# EAGLE board working (EAGLE 7.5.0), part 7 of 8 (continued)
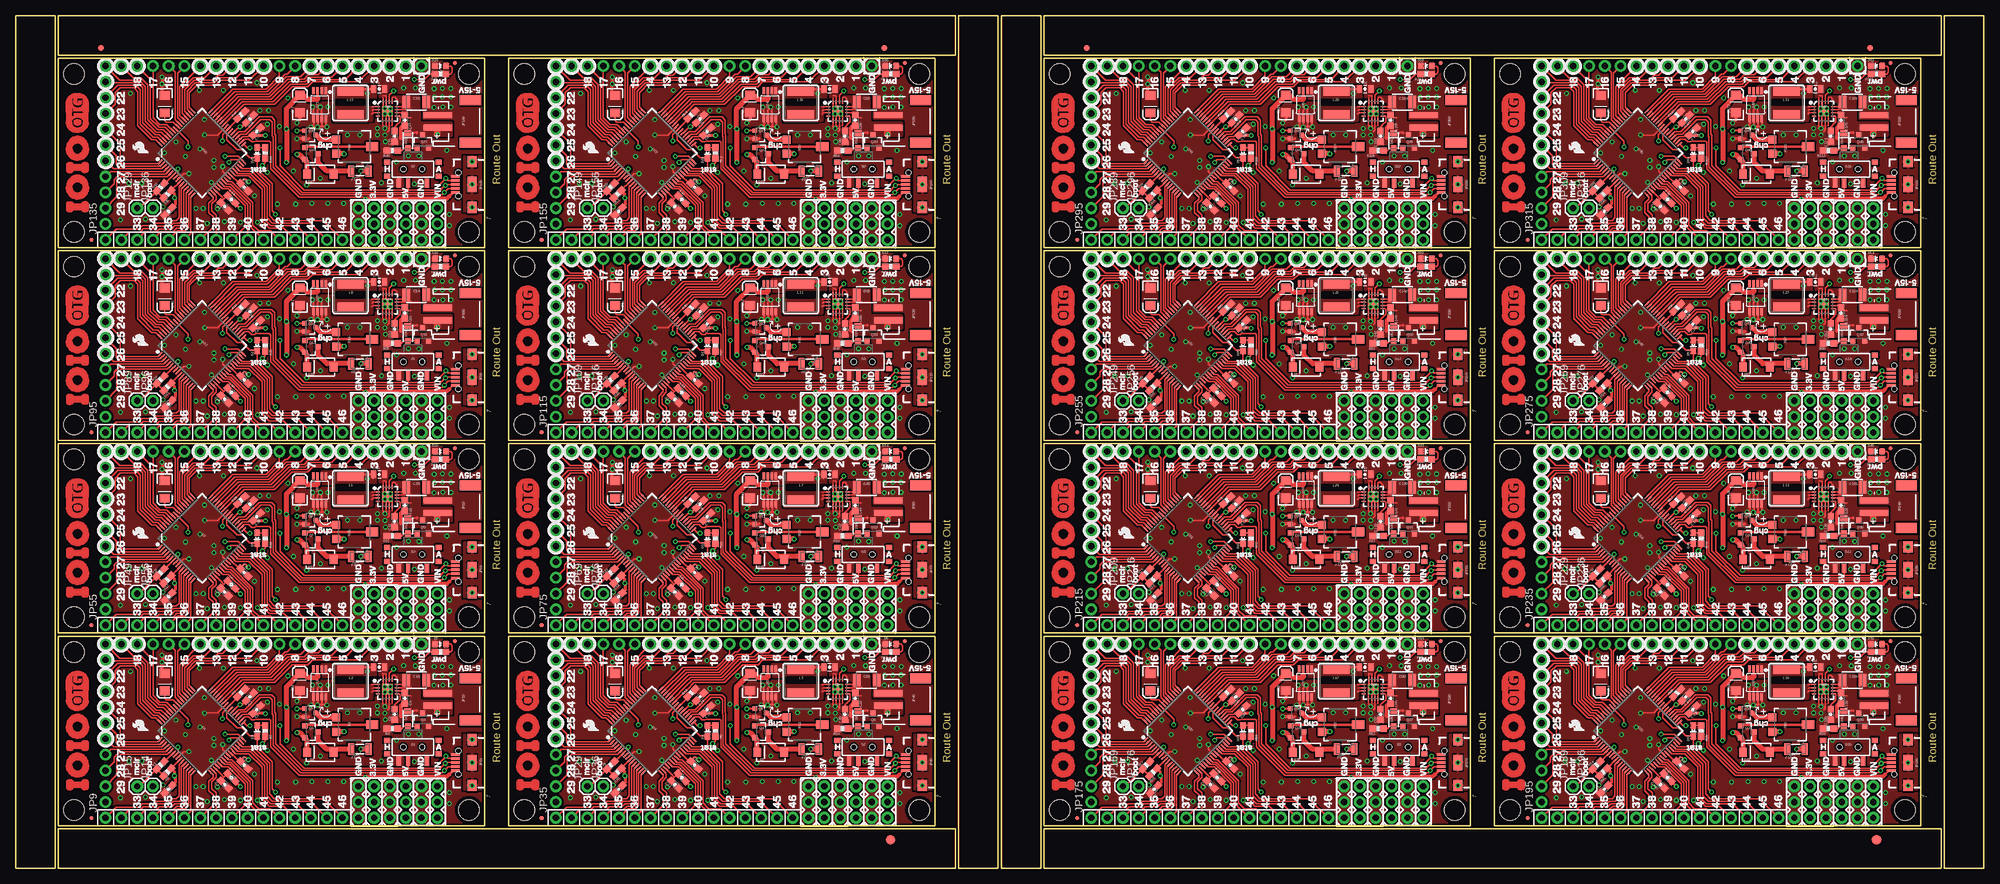
[diagram p0: board, top side]
## Tracks (layer width: path | path; a pad name or v marks a point on that pad's centre or on a via) (continued)
PIN608
  Top 0.203: U40.13 257.94,77.97 257.94,72.67 257.66,72.39 256.5,72.39 255.97,71.86 253.95,71.86 253.49,71.4 251.74,71.4 JP271.14
PIN609
  Top 0.203: U40.14 258.32,77.64 258.32,72.34 257.96,71.98 256.8,71.98 256.2,71.38 254.26,71.38 JP271.13
PIN610
  Top 0.203: U40.15 258.7,77.32 258.7,72.11 258.17,71.58 257,71.58 JP271.12
PIN611
  Top 0.203: U40.16 259.08,76.99 259.08,71.12 JP271.11
PIN612
  Top 0.203: JP272.9 273.3,96.47 271.17,94.34 265.82,94.34 U40.48
PIN613  (via drill 0.38 pad 0.64)
  Top 0.203: U40.8 257.02,80.59 v257.02,81.51
  Bottom 0.203: JP275.1 249.68,76.96 253.75,76.96 257.02,80.24 v257.02,81.51
PIN614
  Top 0.203: 255.9,80.89 U40.6 255.31,80.29 247.88,80.29 247.19,79.6 247.19,77.01 JP275.2
PIN615
  Top 0.203: JP275.3 246.79,79.15 246.79,79.81 247.68,80.7 255,80.7 U40.5
PIN616
  Top 0.203: U40.4 254.7,81.1 246.2,81.1 JP275.4
PIN617
  Top 0.203: U40.17 262.64,76.99 262.64,76.66 261.98,76 261.98,74.47 262.64,73.81 262.64,72.14 JP271.10
PIN618
  Top 0.203: U40.18 263.02,77.32 263.12,77.22 263.12,76.58 262.46,75.92 262.46,74.78 263.14,74.09 JP271.9
PIN619
  Top 0.203: U40.22 264.49,78.68 265.29,78.68 268.22,75.74 JP271.7
PIN620
  Top 0.203: U40.27 266.32,80.39 268.4,80.39 270.51,78.28 270.51,73.15 271.68,71.98 273.96,71.98 JP271.4
PIN621
  Top 0.203: U40.28 266.63,80.77 268.63,80.77 270.92,78.49 270.92,73.36 271.88,72.39 276.1,72.39 JP271.3
PIN622
  Top 0.203: U40.30 267.29,81.53 269.09,81.53 271.73,78.89 271.73,73.97 272.49,73.2 280.37,73.2 JP271.1
PIN623
  Top 0.203: U40.47 266.12,93.93 271.37,93.93 274.22,96.77 274.57,96.77 JP272.8
PIN624
  Top 0.203: U40.59 254.93,88.24 253.94,88.24 252.58,89.61 252.58,95.91 JP272.18
PIN625
  Top 0.203: U40.58 255.22,88.65 254.1,88.65 252.98,89.76 JP272.17
PIN626
  Top 0.203: U40.3 254.4,81.51 246.66,81.51 JP275.5
PIN627
  Top 0.203: U40.2 254.1,81.92 247.42,81.92 247.09,82.25 247.09,83.62 JP275.6
PIN628
  Top 0.203: JP275.7 247.7,85.55 247.7,82.65 248.01,82.35 253.83,82.35 U40.1
PIN629
  Top 0.203: U40.64 253.42,86.21 252.8,86.21 250.55,88.46 250.55,93.93 249.94,94.54 247.7,94.54 246.89,93.73 246.89,91.95 JP275.8
PIN630
  Top 0.203: U40.63 253.72,86.61 253.04,86.61 250.95,88.71 250.95,94.23 250.24,94.94 247.34,94.94 JP275.9
PIN631
  Top 0.203: U40.62 254.02,87.02 253.31,87.02 251.36,88.97 251.36,94.54 250.55,95.35 245.52,95.35 JP275.10
PIN632
  Top 0.203: U40.61 254.32,87.43 253.51,87.43 251.76,89.17 251.76,94.75 250.76,95.76 247.65,95.76 JP275.11
PIN633
  Top 0.203: U40.60 254.62,87.83 253.75,87.83 252.17,89.41 252.17,95.02 251.02,96.16 249.78,96.16 JP272.19
PIN634
  Top 0.203: JP272.6 279.53,96.65 277.95,96.65 277.27,95.96 274.62,95.96 271.78,93.12 266.72,93.12 U40.45
PIN635
  Top 0.203: JP272.5 281.69,96.27 278.18,96.27 277.47,95.56 274.86,95.56 272.02,92.71 267.02,92.71 266.26,91.95 U40.44
PIN636
  Top 0.203: JP272.4 283.85,95.89 278.41,95.89 277.67,95.15 275.13,95.15 272.29,92.3 267.31,92.3 266.91,91.91 266.91,91.9 266.58,91.57 U40.43
PIN637
  Top 0.203: JP272.3 286,95.5 278.64,95.5 277.88,94.74 275.37,94.74 272.52,91.9 267.61,91.9 267.21,91.5 267.21,91.49 266.91,91.19 U40.42
PIN638
  Top 0.203: U40.55 256.54,89.45 256.54,97.03 JP272.16
PIN639
  Top 0.203: U40.54 256.92,89.78 256.92,96.9 JP272.15
PIN640
  Top 0.203: U40.53 257.3,90.11 257.3,94.74 JP272.14
PIN641
  Top 0.203: U40.51 258.06,90.76 258.06,94.21 259.61,95.76 262.64,95.76 263.45,96.57 264.21,96.57 JP272.12
PIN642
  Top 0.203: U40.50 258.44,91.08 258.44,94 259.79,95.35 262.84,95.35 263.65,96.16 266.34,96.16 JP272.11
PIN643
  Top 0.203: U40.49 258.83,91.41 258.83,93.79 259.38,94.34 259.99,94.94 263.04,94.94 263.86,95.76 268.48,95.76 JP272.10
PIN644
  Top 0.203: JP272.7 276.71,96.37 274.42,96.37 271.58,93.52 266.42,93.52 U40.46
PIN645  (via drill 0.38 pad 0.64)
  Top 0.203: U43.32 194.31,114.53 v192.18,114.53
  Bottom 0.203: v192.18,114.53 191.19,114.53 190.14,115.57 190.14,117.53 200.39,127.77 217.43,127.77 JP292.2
PIN646  (via drill 0.38 pad 0.64)
  Top 0.203: U43.31 194.18,113.94 193.17,113.94 v192.79,113.56
  Bottom 0.203: v192.79,113.56 193.19,113.97 193.19,114.86 192.79,115.27 191.06,115.27 190.55,115.77 190.55,117.3 200.65,127.39 219.59,127.39 JP292.1
PIN647
  Top 0.203: U43.52 185.29,121.42 185.29,125.4 187.04,127.15 188.87,127.15 JP292.13
PIN648
  Top 0.203: U43.29 194.57,112.14 196.47,112.14 198.93,109.68 198.93,104.65 199.8,103.78 205.84,103.78 JP291.2
PIN649
  Top 0.203: U43.24 192.75,110.43 193.26,110.43 196.65,107.04 196.65,103.48 197.56,102.56 199.44,102.56 JP291.5
PIN650
  Top 0.203: U43.23 192.42,110.05 193.08,110.05 196.24,106.88 196.24,103.23 JP291.6
PIN651
  Top 0.203: U43.21 191.77,109.28 192.72,109.28 195.43,106.58 195.43,103.23 JP291.8
PIN652
  Top 0.203: U43.11 184.78,109.61 184.78,104.62 184.35,104.19 183.56,104.19 183.15,103.78 181.1,103.78 180.66,103.33 178.82,103.33 178.3,102.81 174.69,102.81 JP291.16
PIN653
  Top 0.203: U43.12 185.17,109.28 185.17,104.09 184.86,103.78 183.82,103.78 183.36,103.32 181.33,103.32 180.87,102.86 179.05,102.86 178.53,102.34 176.77,102.34 JP291.15
PIN654
  Top 0.203: U43.13 185.55,108.96 185.55,103.66 185.27,103.38 184.11,103.38 183.58,102.85 181.56,102.85 181.1,102.39 179.35,102.39 JP291.14
PIN655
  Top 0.203: U43.14 185.93,108.63 185.93,103.33 185.57,102.97 184.41,102.97 183.81,102.37 181.87,102.37 JP291.13
PIN656
  Top 0.203: U43.15 186.31,108.31 186.31,103.1 185.78,102.56 184.61,102.56 JP291.12
PIN657
  Top 0.203: U43.16 186.69,107.98 186.69,102.11 JP291.11
PIN658
  Top 0.203: JP292.9 200.91,127.46 198.78,125.32 193.43,125.32 U43.48
PIN659  (via drill 0.38 pad 0.64)
  Top 0.203: U43.8 184.63,111.58 v184.63,112.5
  Bottom 0.203: JP295.1 177.29,107.95 181.36,107.95 184.63,111.23 v184.63,112.5
PIN660
  Top 0.203: 183.51,111.88 U43.6 182.92,111.28 175.49,111.28 174.8,110.59 174.8,108 JP295.2
PIN661
  Top 0.203: JP295.3 174.4,110.13 174.4,110.8 175.28,111.68 182.62,111.68 U43.5
PIN662
  Top 0.203: U43.4 182.31,112.09 173.81,112.09 JP295.4
PIN663
  Top 0.203: U43.17 190.25,107.98 190.25,107.64 189.59,106.98 189.59,105.46 190.25,104.8 190.25,103.12 JP291.10
PIN664
  Top 0.203: U43.18 190.63,108.31 190.73,108.2 190.73,107.57 190.07,106.91 190.07,105.77 190.75,105.08 JP291.9
PIN665
  Top 0.203: U43.22 192.1,109.67 192.9,109.67 195.83,106.73 JP291.7
PIN666
  Top 0.203: U43.27 193.93,111.38 196.01,111.38 198.12,109.27 198.12,104.14 199.29,102.97 201.57,102.97 JP291.4
PIN667
  Top 0.203: U43.28 194.25,111.76 196.24,111.76 198.53,109.47 198.53,104.34 199.49,103.38 203.71,103.38 JP291.3
PIN668
  Top 0.203: U43.30 194.9,112.52 196.7,112.52 199.34,109.88 199.34,104.95 200.1,104.19 207.97,104.19 JP291.1
PIN669
  Top 0.203: U43.47 193.73,124.92 198.98,124.92 201.83,127.76 202.18,127.76 JP292.8
PIN670
  Top 0.203: U43.59 182.53,119.23 181.55,119.23 180.19,120.59 180.19,126.9 JP292.18
PIN671
  Top 0.203: U43.58 182.84,119.63 181.71,119.63 180.59,120.75 JP292.17
PIN672
  Top 0.203: U43.3 182.01,112.5 174.27,112.5 JP295.5
PIN673
  Top 0.203: U43.2 181.71,112.9 175.03,112.9 174.7,113.23 174.7,114.61 JP295.6
PIN674
  Top 0.203: JP295.7 175.31,116.53 175.31,113.64 175.62,113.33 181.44,113.33 U43.1
PIN675
  Top 0.203: U43.64 181.03,117.2 180.41,117.2 178.16,119.45 178.16,124.92 177.55,125.53 175.31,125.53 174.5,124.71 174.5,122.94 JP295.8
PIN676
  Top 0.203: U43.63 181.33,117.6 180.65,117.6 178.56,119.69 178.56,125.22 177.85,125.93 174.96,125.93 JP295.9
PIN677
  Top 0.203: U43.62 181.63,118.01 180.92,118.01 178.97,119.96 178.97,125.53 178.16,126.34 173.13,126.34 JP295.10
PIN678
  Top 0.203: U43.61 181.93,118.42 181.12,118.42 179.38,120.16 179.38,125.74 178.37,126.75 175.26,126.75 JP295.11
PIN679
  Top 0.203: U43.60 182.23,118.82 181.36,118.82 179.78,120.4 179.78,126 178.63,127.15 177.39,127.15 JP292.19
PIN680
  Top 0.203: JP292.6 207.14,127.64 205.56,127.64 204.88,126.95 202.24,126.95 199.39,124.1 194.33,124.1 U43.45
PIN681
  Top 0.203: JP292.5 209.3,127.25 205.79,127.25 205.08,126.54 202.47,126.54 199.63,123.7 194.63,123.7 193.87,122.94 U43.44
PIN682
  Top 0.203: JP292.4 211.46,126.87 206.02,126.87 205.28,126.14 202.74,126.14 199.9,123.29 194.92,123.29 194.52,122.89 194.19,122.56 U43.43
PIN683
  Top 0.203: JP292.3 213.61,126.49 206.25,126.49 205.49,125.73 202.97,125.73 200.13,122.89 195.22,122.89 194.82,122.48 194.52,122.17 U43.42
PIN684
  Top 0.203: U43.55 184.15,120.44 184.15,128.02 JP292.16
PIN685
  Top 0.203: U43.54 184.53,120.77 184.53,127.89 JP292.15
PIN686
  Top 0.203: U43.53 184.91,121.09 184.91,125.73 JP292.14
PIN687
  Top 0.203: U43.51 185.67,121.75 185.67,125.2 187.22,126.75 190.25,126.75 191.06,127.56 191.82,127.56 JP292.12
PIN688
  Top 0.203: U43.50 186.06,122.07 186.06,124.99 187.4,126.34 190.45,126.34 191.26,127.15 193.95,127.15 JP292.11
PIN689
  Top 0.203: U43.49 186.44,122.4 186.44,124.77 186.99,125.32 187,125.32 187.6,125.93 190.65,125.93 191.47,126.75 196.09,126.75 JP292.10
PIN690
  Top 0.203: JP292.7 204.32,127.36 202.03,127.36 199.19,124.51 194.03,124.51 U43.46
PIN691  (via drill 0.38 pad 0.64)
  Top 0.203: U46.32 266.69,114.53 v264.57,114.53
  Bottom 0.203: v264.57,114.53 263.58,114.53 262.53,115.57 262.53,117.53 272.78,127.77 289.82,127.77 JP312.2
PIN692  (via drill 0.38 pad 0.64)
  Top 0.203: U46.31 266.57,113.94 265.56,113.94 v265.18,113.56
  Bottom 0.203: v265.18,113.56 265.58,113.97 265.58,114.86 265.18,115.27 263.45,115.27 262.94,115.77 262.94,117.3 273.04,127.39 291.98,127.39 JP312.1
PIN693
  Top 0.203: U46.52 257.68,121.42 257.68,125.4 259.43,127.15 261.26,127.15 JP312.13
PIN694
  Top 0.203: U46.29 266.96,112.14 268.86,112.14 271.32,109.68 271.32,104.65 272.19,103.78 278.23,103.78 JP311.2
PIN695
  Top 0.203: U46.24 265.14,110.43 265.65,110.43 269.04,107.04 269.04,103.48 269.95,102.56 271.83,102.56 JP311.5
PIN696
  Top 0.203: U46.23 264.81,110.05 265.47,110.05 268.63,106.88 268.63,103.23 JP311.6
PIN697
  Top 0.203: U46.21 264.16,109.28 265.11,109.28 267.82,106.58 267.82,103.23 JP311.8
PIN698
  Top 0.203: U46.11 257.18,109.61 257.18,104.62 256.74,104.19 255.95,104.19 255.54,103.78 253.5,103.78 253.05,103.33 251.21,103.33 250.69,102.81 247.08,102.81 JP311.16
PIN699
  Top 0.203: U46.12 257.56,109.28 257.56,104.09 257.25,103.78 256.21,103.78 255.75,103.32 253.72,103.32 253.26,102.86 251.44,102.86 250.92,102.34 249.16,102.34 JP311.15
PIN700
  Top 0.203: U46.13 257.94,108.96 257.94,103.66 257.66,103.38 256.5,103.38 255.97,102.85 253.95,102.85 253.49,102.39 251.74,102.39 JP311.14
PIN701
  Top 0.203: U46.14 258.32,108.63 258.32,103.33 257.96,102.97 256.8,102.97 256.2,102.37 254.26,102.37 JP311.13
PIN702
  Top 0.203: U46.15 258.7,108.31 258.7,103.1 258.17,102.56 257,102.56 JP311.12
PIN703
  Top 0.203: U46.16 259.08,107.98 259.08,102.11 JP311.11
PIN704
  Top 0.203: JP312.9 273.3,127.46 271.17,125.32 265.82,125.32 U46.48
PIN705  (via drill 0.38 pad 0.64)
  Top 0.203: U46.8 257.02,111.58 v257.02,112.5
  Bottom 0.203: JP315.1 249.68,107.95 253.75,107.95 257.02,111.23 v257.02,112.5
PIN706
  Top 0.203: 255.9,111.88 U46.6 255.31,111.28 247.88,111.28 247.19,110.59 247.19,108 JP315.2
PIN707
  Top 0.203: JP315.3 246.79,110.13 246.79,110.8 247.68,111.68 255,111.68 U46.5
PIN708
  Top 0.203: U46.4 254.7,112.09 246.2,112.09 JP315.4
PIN709
  Top 0.203: U46.17 262.64,107.98 262.64,107.64 261.98,106.98 261.98,105.46 262.64,104.8 262.64,103.12 JP311.10
PIN710
  Top 0.203: U46.18 263.02,108.31 263.12,108.2 263.12,107.57 262.46,106.91 262.46,105.77 263.14,105.08 JP311.9
PIN711
  Top 0.203: U46.22 264.49,109.67 265.29,109.67 268.22,106.73 JP311.7
PIN712
  Top 0.203: U46.27 266.32,111.38 268.4,111.38 270.51,109.27 270.51,104.14 271.68,102.97 273.96,102.97 JP311.4
PIN713
  Top 0.203: U46.28 266.63,111.76 268.63,111.76 270.92,109.47 270.92,104.34 271.88,103.38 276.1,103.38 JP311.3
PIN714
  Top 0.203: U46.30 267.29,112.52 269.09,112.52 271.73,109.88 271.73,104.95 272.49,104.19 280.37,104.19 JP311.1
PIN715
  Top 0.203: U46.47 266.12,124.92 271.37,124.92 274.22,127.76 274.57,127.76 JP312.8
PIN716
  Top 0.203: U46.59 254.93,119.23 253.94,119.23 252.58,120.59 252.58,126.9 JP312.18
PIN717
  Top 0.203: U46.58 255.22,119.63 254.1,119.63 252.98,120.75 JP312.17
PIN718
  Top 0.203: U46.3 254.4,112.5 246.66,112.5 JP315.5
PIN719
  Top 0.203: U46.2 254.1,112.9 247.42,112.9 247.09,113.23 247.09,114.61 JP315.6
PIN720
  Top 0.203: JP315.7 247.7,116.53 247.7,113.64 248.01,113.33 253.83,113.33 U46.1
PIN721
  Top 0.203: U46.64 253.42,117.2 252.8,117.2 250.55,119.45 250.55,124.92 249.94,125.53 247.7,125.53 246.89,124.71 246.89,122.94 JP315.8
PIN722
  Top 0.203: U46.63 253.72,117.6 253.04,117.6 250.95,119.69 250.95,125.22 250.24,125.93 247.34,125.93 JP315.9
PIN723
  Top 0.203: U46.62 254.02,118.01 253.31,118.01 251.36,119.96 251.36,125.53 250.55,126.34 245.52,126.34 JP315.10
PIN724
  Top 0.203: U46.61 254.32,118.42 253.51,118.42 251.76,120.16 251.76,125.74 250.76,126.75 247.65,126.75 JP315.11
PIN725
  Top 0.203: U46.60 254.62,118.82 253.75,118.82 252.17,120.4 252.17,126 251.02,127.15 249.78,127.15 JP312.19
PIN726
  Top 0.203: JP312.6 279.53,127.64 277.95,127.64 277.27,126.95 274.62,126.95 271.78,124.1 266.72,124.1 U46.45
PIN727
  Top 0.203: JP312.5 281.69,127.25 278.18,127.25 277.47,126.54 274.86,126.54 272.02,123.7 267.02,123.7 266.26,122.94 U46.44
PIN728
  Top 0.203: JP312.4 283.85,126.87 278.41,126.87 277.67,126.14 275.13,126.14 272.29,123.29 267.31,123.29 266.91,122.89 266.58,122.56 U46.43
PIN729
  Top 0.203: JP312.3 286,126.49 278.64,126.49 277.88,125.73 275.37,125.73 272.52,122.89 267.61,122.89 267.21,122.48 266.91,122.17 U46.42
PIN730
  Top 0.203: U46.55 256.54,120.44 256.54,128.02 JP312.16
PIN731
  Top 0.203: U46.54 256.92,120.77 256.92,127.89 JP312.15
PIN732
  Top 0.203: U46.53 257.3,121.09 257.3,125.73 JP312.14
PIN733
  Top 0.203: U46.51 258.06,121.75 258.06,125.2 259.61,126.75 262.64,126.75 263.45,127.56 264.21,127.56 JP312.12
PIN734
  Top 0.203: U46.50 258.44,122.07 258.44,124.99 259.79,126.34 262.84,126.34 263.65,127.15 266.34,127.15 JP312.11
PIN735
  Top 0.203: U46.49 258.83,122.4 258.83,124.77 259.38,125.32 259.99,125.93 263.04,125.93 263.86,126.75 268.48,126.75 JP312.10
PIN736
  Top 0.203: JP312.7 276.71,127.36 274.42,127.36 271.58,124.51 266.42,124.51 U46.46
USBID  (via drill 0.38 pad 0.64)
  Top 0.203: 63.13,16.13 67.31,16.13 v69.22,18.03 69.58,17.67 JP21.ID1 | 63.13,16.13 46.41,16.13 42.52,20.02 v42.52,22.94 | U1.33 | 36.93,23.75 U1.33 | v37.67,22.94 37.27,22.94 U1.33 | S1.P 63.13,16.13
  Bottom 0.203: v69.22,18.03 71.88,18.03 72.52,18.67 TP1.P$1 | v37.67,22.94 v42.52,22.94
USBID1  (via drill 0.38 pad 0.64)
  Top 0.203: 135.52,16.13 139.7,16.13 v141.6,18.03 141.97,17.67 JP39.ID1 | 135.52,16.13 118.8,16.13 114.91,20.02 v114.91,22.94 | U4.33 | 109.32,23.75 U4.33 | v110.06,22.94 109.66,22.94 U4.33 | S2.P 135.52,16.13
  Bottom 0.203: v141.6,18.03 144.27,18.03 144.91,18.67 TP4.P$1 | v110.06,22.94 v114.91,22.94
USBID2  (via drill 0.38 pad 0.64)
  Top 0.203: 63.13,47.12 67.31,47.12 v69.22,49.02 69.58,48.66 JP59.ID1 | 63.13,47.12 46.41,47.12 42.52,51.01 v42.52,53.92 | U7.33 | 36.93,54.74 U7.33 | v37.67,53.92 37.27,53.92 U7.33 | S3.P 63.13,47.12
  Bottom 0.203: v69.22,49.02 71.88,49.02 72.52,49.66 TP7.P$1 | v37.67,53.92 v42.52,53.92
USBID3  (via drill 0.38 pad 0.64)
  Top 0.203: 135.52,47.12 139.7,47.12 v141.6,49.02 141.97,48.66 JP79.ID1 | 135.52,47.12 118.8,47.12 114.91,51.01 v114.91,53.92 | U10.33 | 109.32,54.74 U10.33 | v110.06,53.92 109.66,53.92 U10.33 | S4.P 135.52,47.12
  Bottom 0.203: v141.6,49.02 144.27,49.02 144.91,49.66 TP10.P$1 | v110.06,53.92 v114.91,53.92
USBID4  (via drill 0.38 pad 0.64)
  Top 0.203: 63.13,78.11 67.31,78.11 v69.22,80.01 69.58,79.64 JP99.ID1 | 63.13,78.11 46.41,78.11 42.52,82 v42.52,84.91 | U13.33 | 36.93,85.72 U13.33 | v37.67,84.91 37.27,84.91 U13.33 | S5.P 63.13,78.11
  Bottom 0.203: v69.22,80.01 71.88,80.01 72.52,80.64 TP13.P$1 | v37.67,84.91 v42.52,84.91
USBID5  (via drill 0.38 pad 0.64)
  Top 0.203: 135.52,78.11 139.7,78.11 v141.6,80.01 141.97,79.64 JP119.ID1 | 135.52,78.11 118.8,78.11 114.91,82 v114.91,84.91 | U16.33 | 109.32,85.72 U16.33 | v110.06,84.91 109.66,84.91 U16.33 | S6.P 135.52,78.11
  Bottom 0.203: v141.6,80.01 144.27,80.01 144.91,80.64 TP16.P$1 | v110.06,84.91 v114.91,84.91
USBID6  (via drill 0.38 pad 0.64)
  Top 0.203: 63.13,109.09 67.31,109.09 v69.22,111 69.58,110.63 JP139.ID1 | 63.13,109.09 46.41,109.09 42.52,112.99 v42.52,115.9 | U19.33 | 36.93,116.71 U19.33 | v37.67,115.9 37.27,115.9 U19.33 | S7.P 63.13,109.09
  Bottom 0.203: v69.22,111 71.88,111 72.52,111.63 TP19.P$1 | v37.67,115.9 v42.52,115.9
USBID7  (via drill 0.38 pad 0.64)
  Top 0.203: 135.52,109.09 139.7,109.09 v141.6,111 141.97,110.63 JP159.ID1 | 135.52,109.09 118.8,109.09 114.91,112.99 v114.91,115.9 | U22.33 | 109.32,116.71 U22.33 | v110.06,115.9 109.66,115.9 U22.33 | S8.P 135.52,109.09
  Bottom 0.203: v141.6,111 144.27,111 144.91,111.63 TP22.P$1 | v110.06,115.9 v114.91,115.9
USBID8  (via drill 0.38 pad 0.64)
  Top 0.203: 221.63,16.13 225.81,16.13 v227.71,18.03 228.08,17.67 JP179.ID1 | 221.63,16.13 204.91,16.13 201.02,20.02 v201.02,22.94 | U25.33 | 195.42,23.75 U25.33 | v196.16,22.94 195.76,22.94 U25.33 | S9.P 221.63,16.13
  Bottom 0.203: v227.71,18.03 230.38,18.03 231.01,18.67 TP25.P$1 | v196.16,22.94 v201.02,22.94
USBID9  (via drill 0.38 pad 0.64)
  Top 0.203: 294.02,16.13 298.2,16.13 v300.1,18.03 300.47,17.67 JP199.ID1 | 294.02,16.13 277.3,16.13 273.41,20.02 v273.41,22.94 | U28.33 | 267.81,23.75 U28.33 | v268.55,22.94 268.15,22.94 U28.33 | S10.P 294.02,16.13
  Bottom 0.203: v300.1,18.03 302.77,18.03 303.4,18.67 TP28.P$1 | v268.55,22.94 v273.41,22.94
USBID10  (via drill 0.38 pad 0.64)
  Top 0.203: 221.63,47.12 225.81,47.12 v227.71,49.02 228.08,48.66 JP219.ID1 | 221.63,47.12 204.91,47.12 201.02,51.01 v201.02,53.92 | U31.33 | 195.42,54.74 U31.33 | v196.16,53.92 195.76,53.92 U31.33 | S11.P 221.63,47.12
  Bottom 0.203: v227.71,49.02 230.38,49.02 231.01,49.66 TP31.P$1 | v196.16,53.92 v201.02,53.92
USBID11  (via drill 0.38 pad 0.64)
  Top 0.203: 294.02,47.12 298.2,47.12 v300.1,49.02 300.47,48.66 JP239.ID1 | 294.02,47.12 277.3,47.12 273.41,51.01 v273.41,53.92 | U34.33 | 267.81,54.74 U34.33 | v268.55,53.92 268.15,53.92 U34.33 | S12.P 294.02,47.12
  Bottom 0.203: v300.1,49.02 302.77,49.02 303.4,49.66 TP34.P$1 | v268.55,53.92 v273.41,53.92
USBID12  (via drill 0.38 pad 0.64)
  Top 0.203: 221.63,78.11 225.81,78.11 v227.71,80.01 228.08,79.64 JP259.ID1 | 221.63,78.11 204.91,78.11 201.02,82 v201.02,84.91 | U37.33 | 195.42,85.72 U37.33 | v196.16,84.91 195.76,84.91 U37.33 | S13.P 221.63,78.11
  Bottom 0.203: v227.71,80.01 230.38,80.01 231.01,80.64 TP37.P$1 | v196.16,84.91 v201.02,84.91
USBID13  (via drill 0.38 pad 0.64)
  Top 0.203: 294.02,78.11 298.2,78.11 v300.1,80.01 300.47,79.64 JP279.ID1 | 294.02,78.11 277.3,78.11 273.41,82 v273.41,84.91 | U40.33 | 267.81,85.72 U40.33 | v268.55,84.91 268.15,84.91 U40.33 | S14.P 294.02,78.11
  Bottom 0.203: v300.1,80.01 302.77,80.01 303.4,80.64 TP40.P$1 | v268.55,84.91 v273.41,84.91
USBID14  (via drill 0.38 pad 0.64)
  Top 0.203: 221.63,109.09 225.81,109.09 v227.71,111 228.08,110.63 JP299.ID1 | 221.63,109.09 204.91,109.09 201.02,112.99 v201.02,115.9 | U43.33 | 195.42,116.71 U43.33 | v196.16,115.9 195.76,115.9 U43.33 | S15.P 221.63,109.09
  Bottom 0.203: v227.71,111 230.38,111 231.01,111.63 TP43.P$1 | v196.16,115.9 v201.02,115.9
USBID15  (via drill 0.38 pad 0.64)
  Top 0.203: 294.02,109.09 298.2,109.09 v300.1,111 300.47,110.63 JP319.ID1 | 294.02,109.09 277.3,109.09 273.41,112.99 v273.41,115.9 | U46.33 | 267.81,116.71 U46.33 | v268.55,115.9 268.15,115.9 U46.33 | S16.P 294.02,109.09
  Bottom 0.203: v300.1,111 302.77,111 303.4,111.63 TP46.P$1 | v268.55,115.9 v273.41,115.9
VBUS  (via drill 0.38 pad 0.64)
  Top 0.203: U1.34 36.82,24.35 37.5,24.35 37.97,23.88 38.48,23.88 38.61,24 40.82,24 41.02,23.8 41.02,19.57 45.6,14.99 55.88,14.99 v56.26,14.61 56.13,14.73 | JP21.VBUS1 70.33,15.72
  Top 0.406: 70.33,15.72 69.72,15.11
  Top 0.61: 69.72,15.11 69.34,14.73 56.39,14.73 v56.26,14.61
  Top 0.813: F1.1 v55.5,19.18
  Bottom 0.61: v56.26,14.61 56.26,18.41 v55.5,19.18
VBUS1  (via drill 0.38 pad 0.64)
  Top 0.203: U4.34 109.21,24.35 109.89,24.35 110.36,23.88 110.87,23.88 111,24 113.21,24 113.41,23.8 113.41,19.57 117.99,14.99 128.27,14.99 v128.65,14.61 128.52,14.73 | JP39.VBUS1 142.72,15.72
  Top 0.406: 142.72,15.72 142.11,15.11
  Top 0.61: 142.11,15.11 141.73,14.73 128.78,14.73 v128.65,14.61
  Top 0.813: F2.1 v127.89,19.18
  Bottom 0.61: v128.65,14.61 128.65,18.41 v127.89,19.18
VBUS2  (via drill 0.38 pad 0.64)
  Top 0.203: U7.34 36.82,55.33 37.5,55.33 37.97,54.86 38.48,54.86 38.61,54.99 40.82,54.99 41.02,54.79 41.02,50.55 45.6,45.97 55.88,45.97 v56.26,45.59 56.13,45.72 | JP59.VBUS1 70.33,46.71
  Top 0.406: 70.33,46.71 69.72,46.1
  Top 0.61: 69.72,46.1 69.34,45.72 56.39,45.72 v56.26,45.59
  Top 0.813: F3.1 v55.5,50.16
  Bottom 0.61: v56.26,45.59 56.26,49.4 v55.5,50.16
VBUS3  (via drill 0.38 pad 0.64)
  Top 0.203: U10.34 109.21,55.33 109.89,55.33 110.36,54.86 110.87,54.86 111,54.99 113.21,54.99 113.41,54.79 113.41,50.55 117.99,45.97 128.27,45.97 v128.65,45.59 128.52,45.72 | JP79.VBUS1 142.72,46.71
  Top 0.406: 142.72,46.71 142.11,46.1
  Top 0.61: 142.11,46.1 141.73,45.72 128.78,45.72 v128.65,45.59
  Top 0.813: F4.1 v127.89,50.16
  Bottom 0.61: v128.65,45.59 128.65,49.4 v127.89,50.16
VBUS4  (via drill 0.38 pad 0.64)
  Top 0.203: U13.34 36.82,86.32 37.5,86.32 37.97,85.85 38.48,85.85 38.61,85.98 40.82,85.98 41.02,85.78 41.02,81.54 45.6,76.96 55.88,76.96 v56.26,76.58 56.13,76.71 | JP99.VBUS1 70.33,77.69
  Top 0.406: 70.33,77.69 69.72,77.09
  Top 0.61: 69.72,77.09 69.34,76.71 56.39,76.71 v56.26,76.58
  Top 0.813: F5.1 v55.5,81.15
  Bottom 0.61: v56.26,76.58 56.26,80.39 v55.5,81.15
VBUS5  (via drill 0.38 pad 0.64)
  Top 0.203: U16.34 109.21,86.32 109.89,86.32 110.36,85.85 110.87,85.85 111,85.98 113.21,85.98 113.41,85.78 113.41,81.54 117.99,76.96 128.27,76.96 v128.65,76.58 128.52,76.71 | JP119.VBUS1 142.72,77.69
  Top 0.406: 142.72,77.69 142.11,77.09
  Top 0.61: 142.11,77.09 141.73,76.71 128.78,76.71 v128.65,76.58
  Top 0.813: F6.1 v127.89,81.15
  Bottom 0.61: v128.65,76.58 128.65,80.39 v127.89,81.15
VBUS6  (via drill 0.38 pad 0.64)
  Top 0.203: U19.34 36.82,117.31 37.5,117.31 37.97,116.84 38.48,116.84 38.61,116.97 40.82,116.97 41.02,116.76 41.02,112.53 45.6,107.95 55.88,107.95 v56.26,107.57 56.13,107.7 | JP139.VBUS1 70.33,108.68
  Top 0.406: 70.33,108.68 69.72,108.08
  Top 0.61: 69.72,108.08 69.34,107.7 56.39,107.7 v56.26,107.57
  Top 0.813: F7.1 v55.5,112.14
  Bottom 0.61: v56.26,107.57 56.26,111.38 v55.5,112.14
VBUS7  (via drill 0.38 pad 0.64)
  Top 0.203: U22.34 109.21,117.31 109.89,117.31 110.36,116.84 110.87,116.84 111,116.97 113.21,116.97 113.41,116.76 113.41,112.53 117.99,107.95 128.27,107.95 v128.65,107.57 128.52,107.7 | JP159.VBUS1 142.72,108.68
  Top 0.406: 142.72,108.68 142.11,108.08
  Top 0.61: 142.11,108.08 141.73,107.7 128.78,107.7 v128.65,107.57
  Top 0.813: F8.1 v127.89,112.14
  Bottom 0.61: v128.65,107.57 128.65,111.38 v127.89,112.14
VBUS8  (via drill 0.38 pad 0.64)
  Top 0.203: U25.34 195.31,24.35 196,24.35 196.47,23.88 196.98,23.88 197.1,24 199.31,24 199.52,23.8 199.52,19.57 204.1,14.99 214.38,14.99 v214.76,14.61 214.63,14.73 | JP179.VBUS1 228.82,15.72
  Top 0.406: 228.82,15.72 228.22,15.11
  Top 0.61: 228.22,15.11 227.84,14.73 214.88,14.73 v214.76,14.61
  Top 0.813: F9.1 v214,19.18
  Bottom 0.61: v214.76,14.61 214.76,18.41 v214,19.18
VBUS9  (via drill 0.38 pad 0.64)
  Top 0.203: U28.34 267.7,24.35 268.39,24.35 268.86,23.88 269.37,23.88 269.49,24 271.7,24 271.91,23.8 271.91,19.57 276.49,14.99 286.77,14.99 v287.15,14.61 287.02,14.73 | JP199.VBUS1 301.21,15.72
  Top 0.406: 301.21,15.72 300.61,15.11
  Top 0.61: 300.61,15.11 300.23,14.73 287.27,14.73 v287.15,14.61
  Top 0.813: F10.1 v286.38,19.18
  Bottom 0.61: v287.15,14.61 287.15,18.41 v286.38,19.18
VBUS10  (via drill 0.38 pad 0.64)
  Top 0.203: U31.34 195.31,55.33 196,55.33 196.47,54.86 196.98,54.86 197.1,54.99 199.31,54.99 199.52,54.79 199.52,50.55 204.1,45.97 214.38,45.97 v214.76,45.59 214.63,45.72 | JP219.VBUS1 228.82,46.71
  Top 0.406: 228.82,46.71 228.22,46.1
  Top 0.61: 228.22,46.1 227.84,45.72 214.88,45.72 v214.76,45.59
  Top 0.813: F11.1 v214,50.16
  Bottom 0.61: v214.76,45.59 214.76,49.4 v214,50.16
VBUS11  (via drill 0.38 pad 0.64)
  Top 0.203: U34.34 267.7,55.33 268.39,55.33 268.86,54.86 269.37,54.86 269.49,54.99 271.7,54.99 271.91,54.79 271.91,50.55 276.49,45.97 286.77,45.97 v287.15,45.59 287.02,45.72 | JP239.VBUS1 301.21,46.71
  Top 0.406: 301.21,46.71 300.61,46.1
  Top 0.61: 300.61,46.1 300.23,45.72 287.27,45.72 v287.15,45.59
  Top 0.813: F12.1 v286.38,50.16
  Bottom 0.61: v287.15,45.59 287.15,49.4 v286.38,50.16
VBUS12  (via drill 0.38 pad 0.64)
  Top 0.203: U37.34 195.31,86.32 196,86.32 196.47,85.85 196.98,85.85 197.1,85.98 199.31,85.98 199.52,85.78 199.52,81.54 204.1,76.96 214.38,76.96 v214.76,76.58 214.63,76.71 | JP259.VBUS1 228.82,77.69
  Top 0.406: 228.82,77.69 228.22,77.09